# Altium PCB PCB.PcbDoc (part 3 of 4)
Units mm, origin at the board's own origin, x right, y up, seen from the top; angles counter-clockwise.
Board outline 100.83 x 35.45 mm, 6 copper layers (Top Layer, Mid Layer 1, Mid Layer 2, Mid Layer 3, Mid Layer 4, Bottom Layer), stack 1.032 mm thick; 283 components, 227 nets, 1174 pads, 1065 vias.
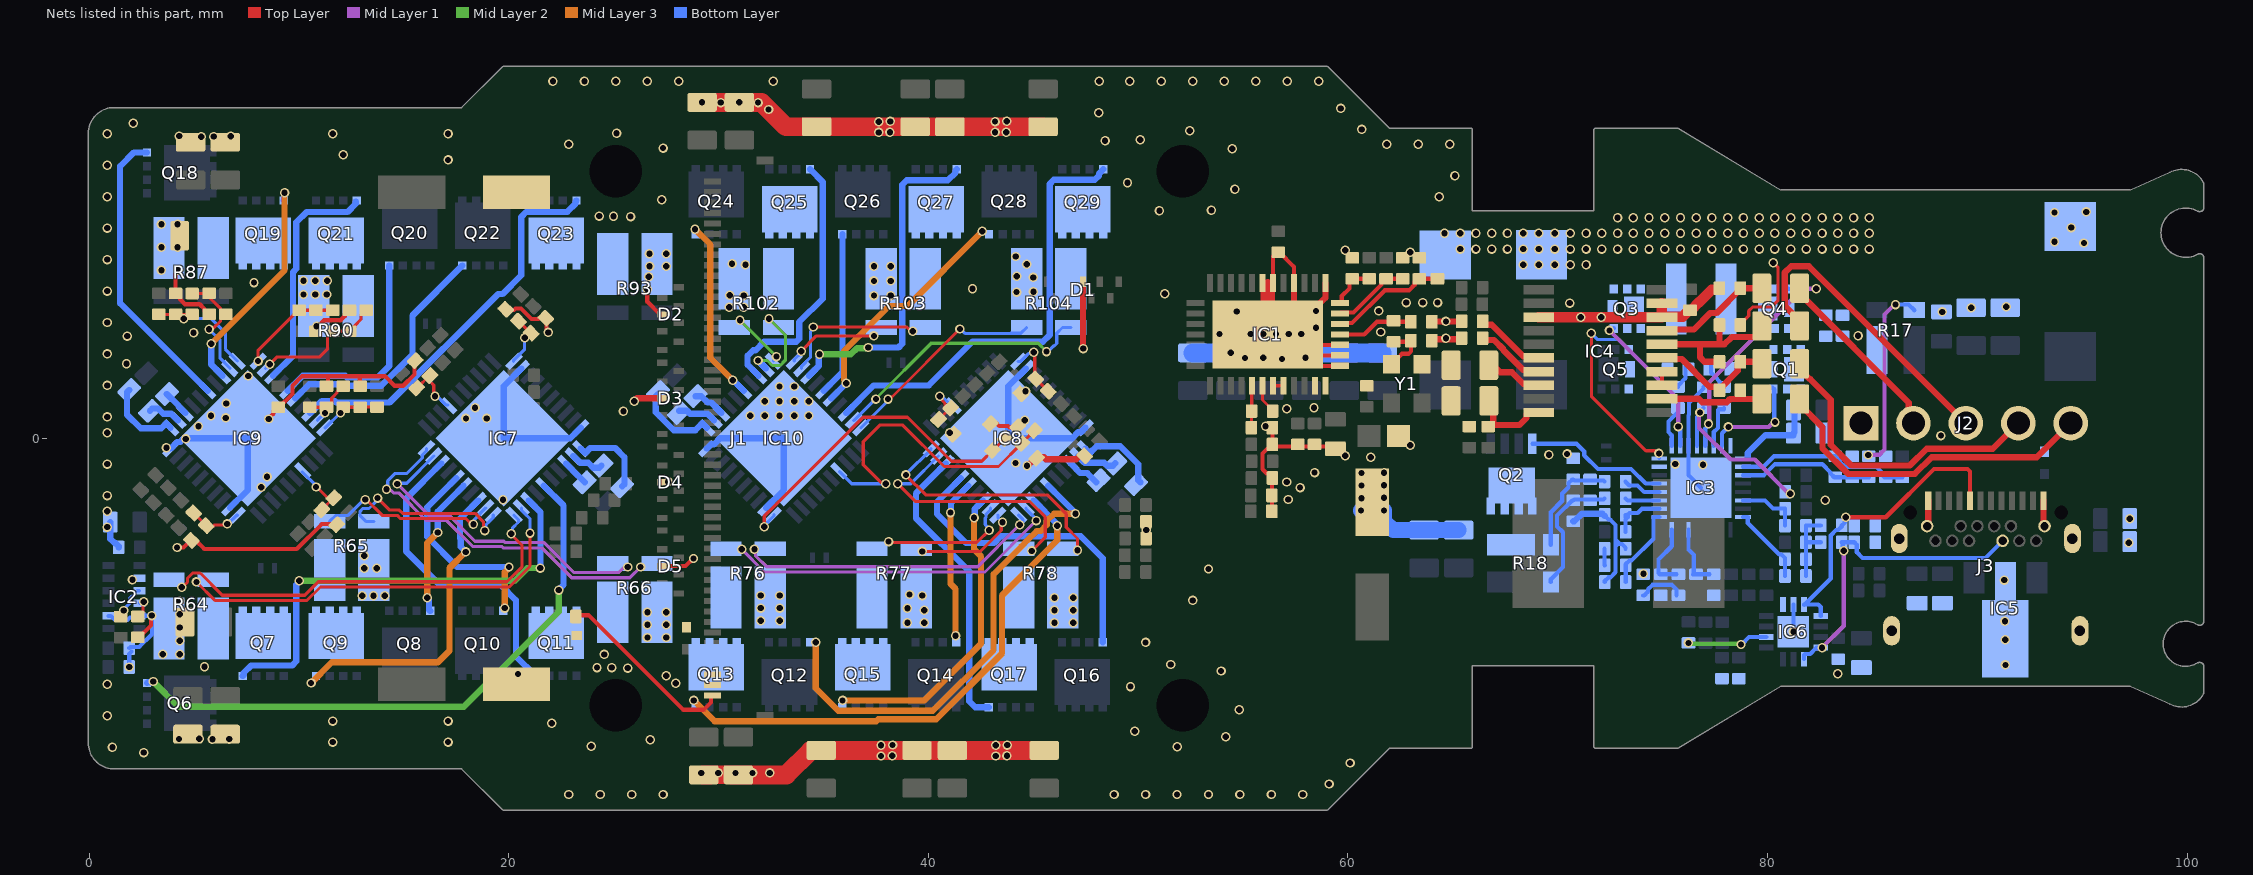
[diagram p7: the nets of this part, all layers, seen from the top]

## Via types
v1: diameter 0.45, hole 0.3, Top Layer to Bottom Layer, tented both sides, 1064 vias
v2: diameter 0.45, hole 0.3, Top Layer to Bottom Layer, tented top, 1 vias

## Nets (pads, with @x,y where several pads share a name; then routed paths per layer and width w, separated by ;. In a path a pad name is that pad's centre, name@x,y a point inside that pad or via, vN(x,y) a via of type N, cw(c..) or ccw(c..) an arc to the next point about the centre after c; other vN are vias at no path point) (continued)
GND: C1.2 C2.2 C3.1 C4.1 C5.1 C6.1 C7.1 C8.1 C9.2 C10.1 C11.1 C12.1 C13.1 C14.2 C15.1 C16.2 C17.1 C18.1 C19.2 C20.2 C21.1 C22.1 C23.1 C24.1 C25.1 C26.1 C27.1 C28.1 C29.1 C30.1 C33.2 C34.1 C35.1 C37.2 C38.1 C40.2 C41.1 C42.1 C43.1 C44.1 C45.1 C46.1 C47.1 C49.1 C50.1 C51.1 C52.1 C53.1 C54.1 C55.1 C56.1 C57.1 C59.1 C60.2 C61.1 C62.1 C63.1 C64.1 C65.1 C66.1 C67.1 C68.1 C69.1 C70.1 C71.1 C72.1 C73.1 C74.1 C75.1 C76.1 C77.1 C78.1 C79.1 C80.1 C81.1 C82.1 C83.1 C84.1 C87.1 C88.1 C91.1 C92.1 C95.1 C97.1 C98.2 C99.1 C101.2 C102.1 C104.2 C105.1 C108.1 D1.3 D2.3 D3.3 D4.3 D5.3 D6.2 D7.2 D8.2 D9.2 D10.2 D11.2 D12.2 IC1.1 IC1.4 IC1.6 IC1.7 IC1.30 IC1.31 IC1.32 IC1.33 IC1.34 IC1.39 IC2.2 IC2.8 IC2.11 IC3.27 IC3.33 IC4.3 IC4.18 IC4.19 IC5.2 IC5.4 IC6.8 IC6.9 IC6.15 IC7.32 IC7.40 IC7.41 IC8.32 IC8.40 IC8.41 IC9.32 IC9.40 IC9.41 IC10.32 IC10.40 IC10.41 J1.48 J1.49 J2.1 J3.A1 J3.A12 J3.B1 J3.B12 J3.MH1 J3.MH2 J3.MH3 J3.MH4 Q3.4 Q3.8 Q4.4 Q4.8 R5.1 R6.1 R7.1 R8.1 R10.1 R11.1 R12.1 R13.1 R16.1 R29.1 R31.1 R32.1 R39.1 R47.1 R48.1 R63.1 R64.1 R65.4 R66.4 R75.1 R76.4 R77.4 R78.4 R85.1 R87.4 R90.4 R93.1 R101.1 R102.4 R103.4 R104.4 Y1.2 | length 197.1
  Top Layer w0.15: C60.2@77.704,7.156 C60.2@77.704,7.206 ; C59.1@78.71,5.397 78.71,5.447 79.105,5.842 79.105,6.072 79.283,6.25 80.174,6.25 80.502,6.578 80.502,8.131 80.277,8.357 v1(80.277,8.369)
  Top Layer w0.2: R16.1@2.305,-9.498 2.355,-9.498 2.932,-8.92 2.932,-8.5 v1(2.98,-8.452) ; v1(4.181,-5.209) 4.492,-5.209 4.83,-4.871 R85.1@4.864,-4.871 5.072,-4.871 5.481,-5.28 9.888,-5.28 11.081,-4.087 11.443,-4.087 11.508,-4.152 11.756,-4.152 C97.1@11.791,-4.117 ; v1(4.205,8.002) 4.205,7.935 4.111,7.84 C98.2@4.111,6.905 4.161,6.905 4.336,6.73 4.336,6.614 4.56,6.39 5.261,6.39 5.485,6.165 5.485,6.08 5.66,5.905 C95.1@5.71,5.905 ; v1(8.55,0.918) 8.55,0.941 8.78,1.171 8.78,1.308 8.955,1.483 9.055,1.483 9.684,2.111 9.684,2.505 10.137,2.958 11.395,2.958 ; v1(10.833,5.34) 10.9,5.34 11.186,5.625 11.981,5.625 12.175,5.819 12.175,5.925 12.35,6.1 C99.1@12.4,6.1 ; C102.1@11.303,2.478 11.373,2.548 11.373,2.936 11.395,2.958 ; C104.2@12.913,2.483 12.886,2.51 12.886,2.958 ; C87.1@15.53,3.696 15.495,3.661 15.495,3.249 15.497,3.247 15.497,3.036 14.966,2.505 14.542,2.505 14.088,2.958 12.886,2.958 ; C84.1@19.857,6.147 19.892,6.112 20.246,6.112 20.316,6.182 20.584,6.182 21.08,5.686 21.412,5.686 21.482,5.756 21.729,5.756 R63.1@21.765,5.721 21.8,5.686 21.8,5.192 21.881,5.111 v1(21.881,5.043) ; v1(26.6,7.1) 26.6,6.508 27.205,5.902 D2.3@27.305,5.902 ; D5.3@27.305,-6.098 28.422,-6.098 28.787,-5.733 v1(28.8,-5.733) ; D4.3@27.305,-2.098 27.318,-2.085 27.575,-2.085 v1(27.587,-2.073) ; R101.1@42.948,0.693 42.983,0.728 43.231,0.728 43.372,0.587 43.796,0.587 43.867,0.516 44.22,0.516 C105.1@44.255,0.552 ; R10.1@56.371,-3.482 56.384,-3.468 56.384,-1.908 R12.1@56.398,-1.895 56.398,-1.845 56.223,-1.67 56.117,-1.67 55.928,-1.481 55.928,-0.729 56.137,-0.52 56.223,-0.52 56.398,-0.345 R13.1@56.398,-0.295 ; C10.1@56.398,0.505 R13.1@56.398,-0.295 ; C5.1@56.626,8.871 56.425,8.67 IC1.6@56.425,7.4 ; C5.1@56.676,8.871 56.726,8.871 57.425,8.171 IC1.4@57.425,7.4 ; C8.1@59.4,-0.5 59.297,-0.397 56.5,-0.397 R13.1@56.398,-0.295 ; IC1.32@59.625,3.45 57.675,3.45 IC1.39@57.175,3.95 ; IC1.33@59.625,3.95 IC1.39@57.175,3.95 ; IC1.34@59.625,4.45 IC1.39@56.675,4.45 ; 11.395,2.958 12.886,2.958 ; IC1.39@56.175,4.95 56.425,5.2 IC1.6@56.425,7.4 ; IC1.39@56.175,4.95 55.925,5.2 IC1.7@55.925,7.4 56.175,7.4 IC1.6@56.425,7.4 ; IC1.39@56.175,4.95 IC1.39@56.675,4.45 ; IC1.39@56.675,4.45 IC1.39@57.175,3.95
  Top Layer w0.3: v1(25.971,1.768) 26.105,1.902 D3.3@27.305,1.902 ; v1(44.697,-1.316) 44.738,-1.316 45.106,-0.948 C108.1@45.155,-0.948 45.191,-0.913 45.507,-0.913 45.594,-1 47.043,-1 47.237,-0.805 47.414,-0.805 C88.1@47.449,-0.841 ; D1.3@47.371,7.468 47.371,4.29 v1(47.386,4.275) ; IC1.39@56.175,4.95 57.175,4.95 58.925,6.7 IC1.1@58.925,7.4 ; IC1.39@56.425,5.2 57.425,6.2 IC1.4@57.425,7.4 ; C3.1@64.001,4.653 64.061,4.714 65.356,4.714 C73.1@65.416,4.774 ; R5.1@64.001,5.553 64.011,5.564 65.406,5.564 R47.1@65.416,5.574 ; J3.B12@87.605,-4.19 87.655,-4.14 J3.A1@87.655,-2.98 ; J3.A12@93.155,-2.98 93.155,-4.14 J3.B1@93.205,-4.19
  Top Layer w0.4: IC1.39@56.175,4.95 56.175,7.4
  Top Layer w0.5: IC4.3@69.092,5.777 v1@72.061,5.777 ; v1(72.071,5.768) 72.08,5.777 IC4.18@74.968,5.777 ; IC4.19@74.968,6.427 IC4.18@74.968,5.777 ; C60.2@77.704,7.156 77.704,7.106 77.679,7.081 77.346,7.081 76.743,6.478 76.73,6.478 76.355,6.102 R48.1@76.305,6.102 76.255,6.102 75.955,5.802 74.993,5.802 IC4.18@74.968,5.777
  Top Layer w0.9: v1(29.21,16.013) v1(30.988,16.013) v1@31.993,16.013 ; C65.1@29.291,-16.046 29.588,-16.046 29.592,-16.042 30.641,-16.042 30.644,-16.046 30.703,-16.046 C49.1@30.711,-16.055 ; C49.1@30.942,-16.046 33.228,-16.046 34.385,-14.888 C52.1@34.635,-14.888 ; v1(31.877,16.002) 32.048,16.002 v1(32.379,15.671) 33.202,14.848 C57.1@41.021,14.848 C67.1@45.466,14.848 ; C52.1@34.635,-14.881 C51.1@45.547,-14.881
  Bottom Layer w0.2: IC2.2@0.912,-8.468 1.024,-8.468 1.217,-8.661 1.822,-8.661 1.94,-8.543 2.313,-8.543 IC2.11@2.388,-8.468 2.395,-8.46 2.972,-8.46 v1(2.98,-8.452) 2.98,-9.342 2.375,-9.947 1.956,-9.947 C11.1@1.898,-10.005 ; v1(1.898,-10.905) 1.898,-10.28 C11.1@2.01,-10.167 ; C45.1@72.237,-6.856 72.237,-6.806 72.412,-6.631 72.513,-6.631 72.757,-6.387 72.757,-5.161 ; R32.1@72.237,-3.656 72.237,-3.706 72.412,-3.881 72.497,-3.881 72.757,-4.141 72.757,-4.764 72.757,-5.161 ; 72.757,-4.765 72.757,-4.842 72.907,-4.991 ; C47.1@73.232,-5.266 73.232,-5.216 73.057,-5.041 72.877,-5.041 72.757,-5.161 ; IC3.33@76.835,-2.361 76.235,-1.761 IC3.27@76.235,-0.361 76.235,1.096 76.255,1.116 76.255,1.676 76.948,2.369 C34.1@76.953,2.437 ; v1(81.235,-9.229) IC6.9@81.235,-7.929 ; C42.1@81.833,-6.566 R29.1@81.833,-5.766 C43.1@81.833,-4.966 ; C83.1@82.537,-4.956 82.532,-4.961 81.838,-4.961 C43.1@81.833,-4.966 ; C82.1@82.537,-4.156 82.532,-4.161 81.838,-4.161 R31.1@81.833,-4.166 C43.1@81.833,-4.966
  Bottom Layer w0.3: C13.1@1,-4 1,-4.8 1.18,-4.98 1.222,-4.98 1.397,-5.155 C14.2@1.397,-5.205 ; IC9.40@3.873,-0.493 4.188,-0.177 4.33,-0.177 4.335,-0.172 4.509,0.002 IC9.41@7.55,0.002 7.55,-2.472 IC9.32@6.701,-3.321 ; IC7.32@20.598,3.326 19.75,2.477 IC7.41@19.75,0.002 22.932,0.002 IC7.40@23.427,0.497 ; IC10.40@29.428,-0.493 29.641,-0.28 29.782,-0.28 30.065,0.002 IC10.41@33.105,0.002 33.105,-2.472 IC10.32@32.257,-3.321 ; IC8.32@44.654,3.326 43.805,2.477 IC8.41@43.805,0.002 46.846,0.002 47.129,0.285 47.27,0.285 IC8.40@47.482,0.497 ; C40.2@70.74,-3.964 70.79,-3.964 71.156,-3.597 72.129,-3.597 R32.1@72.237,-3.706 ; C46.1@74.074,-6.489 74.085,-6.478 v1(74.085,-6.462)
  Bottom Layer w0.75: v1(60.62,-3.44) v1(61.72,-3.44) 61.72,-3.941 62.16,-4.38 C27.1@63.629,-4.38 C28.1@65.28,-4.38
  Bottom Layer w0.9: C24.1@52.605,4.07 C26.1@54.411,4.07 ; v1(54.412,4.07) C21.1@56.217,4.07 C22.1@57.972,4.07 ; C22.1@57.975,4.022 C22.1@58.023,4.07 C25.1@59.829,4.07 C23.1@61.635,4.07
  other v1: 22.85,-16.983 24.35,-16.983 25.85,-16.983 27.35,-16.983 48.85,-16.983 50.35,-16.983 51.85,-16.983 53.35,-16.983 54.85,-16.983 56.35,-16.983 59.1,-16.483 29.168,-15.955 29.984,-15.955 30.8,-15.955 31.616,-15.955 32.432,-15.955 60.1,-15.483 37.739,-15.147 43.214,-15.149 38.268,-15.141 43.743,-15.142 2.6,-14.983 1.1,-14.733 51.861,-14.711 23.923,-14.683 37.739,-14.635 38.288,-14.625 43.214,-14.636 43.763,-14.626 11.6,-14.483 17.1,-14.483 26.736,-14.379 4.277,-14.336 5.868,-14.348 6.663,-14.34 5.243,-14.331 54.169,-14.225 49.841,-13.97 22.04,-13.583 11.6,-13.483 17.1,-13.483 0.85,-13.233 54.817,-12.943 49.632,-11.837 0.85,-11.733 27.96,-11.674 27.507,-11.316 20.434,-11.244 83.35,-11.233 53.951,-11.096 25.662,-10.957 24.2,-10.933 24.9,-10.933 5.49,-10.894 91.339,-10.805 51.55,-10.786 3.505,-10.298 4.315,-10.294 24.542,-10.307 50.35,-9.733 4.315,-9.66 91.335,-9.612 26.605,-9.498 27.505,-9.498 4.315,-9.027 26.605,-8.898 27.505,-8.898 39,-8.8 39.8,-8.8 46.005,-8.798 46.905,-8.798 32.005,-8.698 32.905,-8.698 91.316,-8.718 4.315,-8.394 26.605,-8.298 27.505,-8.298 39.8,-8.2 46.005,-8.198 46.905,-8.198 32.005,-8.098 32.905,-8.098 39,-8.1 4.315,-7.76 52.6,-7.733 46.005,-7.598 46.905,-7.598 13.005,-7.514 13.546,-7.514 14.087,-7.514 39.7,-7.5 32.005,-7.498 32.905,-7.498 39.1,-7.45 2.055,-6.743 91.284,-6.76 53.35,-6.233 13.105,-6.198 13.705,-6.198 13.105,-5.598 97.217,-4.983 50.382,-4.37 0.85,-4.233 97.268,-3.832 0.85,-3.483 82.758,-2.954 19.719,-2.937 57.15,-2.921 60.644,-2.858 61.72,-2.84 0.85,-2.733 57.715,-2.35 8.2,-2.333 60.644,-2.258 61.72,-2.24 57.081,-2.085 8.471,-1.832 60.644,-1.658 58.406,-1.635 61.72,-1.64 76.921,-1.27 0.85,-1.233 75.6,-1.233 44.153,-1.18 61.09,-0.901 59.871,-0.832 69.579,-0.783 70.443,-0.748 3.675,-0.448 62.971,-0.332 4.6,-0.033 88.265,0.127 0.85,0.267 41.019,0.256 5.2,0.567 56.071,0.568 44.584,0.863 17.951,0.943 18.943,0.943 6.5,0.967 0.85,1.017 5.8,1.067 31.5,1.067 32.2,1.067 32.9,1.067 33.6,1.067 34.3,1.067 25.459,1.283 57.084,1.401 18.388,1.448 58.379,1.457 6.53,1.661 32.2,1.767 32.9,1.767 33.6,1.767 34.3,1.767 44.629,2.24 32.9,2.467 33.6,2.467 0.85,2.517 7.571,2.968 1.771,3.55 56.85,3.777 55.09,3.83 55.965,3.841 57.975,3.833 0.85,4.017 64.671,4.768 1.809,4.872 84.317,4.884 53.871,4.968 55.371,4.968 55.971,4.968 56.571,4.968 57.171,4.968 57.771,4.968 4.969,5.027 61.561,5.063 58.471,5.268 0.85,5.517 64.671,5.568 71.1,5.767 88.335,6.02 54.701,6.043 58.471,6.068 61.471,6.068 89.705,6.22 30.5,6.25 31.2,6.25 91.381,6.271 70.566,6.444 62.771,6.468 63.571,6.468 64.271,6.468 31.2,6.8 37.4,6.8 38.2,6.8 30.524,6.815 10.208,6.853 10.765,6.853 11.322,6.853 51.259,6.881 44.2,6.967 45.004,6.986 0.85,7.017 42.102,7.122 7.85,7.421 10.208,7.502 10.771,7.502 11.334,7.502 37.4,7.5 38.2,7.5 45,7.667 26.662,7.697 44.209,7.719 3.436,8.002 26.705,8.202 27.505,8.202 37.4,8.2 38.2,8.2 68.35,8.267 69.1,8.267 69.85,8.267 70.6,8.267 71.35,8.267 31.276,8.275 44.691,8.299 30.639,8.315 0.85,8.517 44.158,8.663 26.7,8.8 27.5,8.8 62.971,8.868 59.875,8.963 65.35,9.017 66.1,9.017 66.85,9.017 67.6,9.017 68.35,9.017 69.1,9.017 69.85,9.017 70.6,9.017 71.35,9.017 72.1,9.017 72.85,9.017 73.6,9.017 74.35,9.017 75.1,9.017 75.85,9.017 76.6,9.017 77.35,9.017 78.1,9.017 78.85,9.017 79.6,9.017 80.35,9.017 81.1,9.017 81.85,9.017 82.6,9.017 83.35,9.017 84.1,9.017 84.85,9.017 3.436,9.102 4.205,9.102 95.083,9.307 93.68,9.365 64.6,9.767 65.35,9.767 66.1,9.767 66.85,9.767 67.6,9.767 68.35,9.767 69.1,9.767 69.85,9.767 70.6,9.767 71.35,9.767 72.1,9.767 72.85,9.767 73.6,9.767 74.35,9.767 75.1,9.767 75.85,9.767 76.6,9.767 77.35,9.767 78.1,9.767 78.85,9.767 79.6,9.767 80.35,9.767 81.1,9.767 81.85,9.767 82.6,9.767 83.35,9.767 84.1,9.767 84.85,9.767 0.85,10.017 94.481,10.044 3.436,10.202 4.205,10.202 72.85,10.517 73.6,10.517 74.35,10.517 75.1,10.517 75.85,10.517 76.6,10.517 77.35,10.517 78.1,10.517 78.85,10.517 79.6,10.517 80.35,10.517 81.1,10.517 81.85,10.517 82.6,10.517 83.35,10.517 84.1,10.517 84.85,10.517 24.988,10.585 25.8,10.567 24.303,10.591 93.68,10.762 95.194,10.788 51.012,10.841 53.491,10.869 27.28,11.363 0.85,11.517 64.35,11.517 54.612,11.873 49.49,12.179 65.1,12.517 0.85,13.017 17.1,13.267 12.1,13.517 54.476,13.803 27.349,13.834 22.85,14.017 61.85,14.017 63.35,14.017 64.85,14.017 48.421,14.185 50.1,14.231 5.332,14.372 5.936,14.382 6.741,14.39 4.291,14.404 0.85,14.517 11.6,14.517 17.1,14.517 25.134,14.537 37.634,14.578 38.163,14.585 43.177,14.582 43.706,14.589 52.455,14.664 60.651,14.72 2.1,15.017 37.634,15.091 38.183,15.101 43.177,15.095 43.726,15.105 48.118,15.519 59.651,15.72 30.099,16.002 22.1,17.017 23.6,17.017 25.1,17.017 26.6,17.017 28.1,17.017 32.6,17.017 48.144,17.012 49.6,17.017 51.1,17.017 52.6,17.017 54.1,17.017 55.6,17.017 57.1,17.017 58.6,17.017
  other v2: 57.85,-16.983
NetC3_2: C3.2 R4.2 Y1.3 | length 2.6
  Top Layer w0.2: Y1.3@62.075,3.525 62.075,3.575 62.375,3.875 62.425,3.875 62.575,4.025 62.883,4.025 63,4.142 C3.2@63,4.654 62.95,4.603 R4.2@62.172,4.603
NetC10_2: C10.2 FB1.1 IC1.24 | length 1.7
  Top Layer w0.15: C10.2@55.397,0.505 55.4,0.508 FB1.1@55.4,1.292 ; FB1.1@55.402,1.295 FB1.1@55.4,1.292 ; IC1.24@55.425,2.225 55.414,2.214 55.414,1.306 FB1.1@55.4,1.292
NetC29_2: C29.2 C30.2 Q1.1 Q1.2 Q1.5 Q1.6 Q1.7 R17.3
NetC31_1: C31.1 R21.2 | length 1.3
  Bottom Layer w0.2: C31.1@77.302,3.508 77.302,3.126 77.93,2.498 R21.2@77.93,2.442
NetC31_2: C31.2 IC3.32 L1.1 Q1.4 Q1.8 Q4.1 Q4.2 Q4.5 Q4.6 Q4.7
NetC32_1: C32.1 R22.2 | length 1.1
  Bottom Layer w0.2: R22.2@75.73,2.442 75.73,2.498 76.095,2.863 C32.1@76.095,3.404
NetC32_2: C32.2 IC3.23 L1.2 Q3.1 Q3.2 Q3.5 Q3.6 Q3.7 Q5.4 Q5.8
NetC34_2: C34.2 IC3.28 R24.1 | length 8.4
  Mid Layer 1 w0.2: v1(76.776,1.226) 76.735,1.184 76.735,0.494 78.248,-1.019 79.39,-1.019 81.02,-2.649 v1(81.082,-2.649)
  Bottom Layer w0.2: IC3.28@76.635,-0.361 76.635,1.017 76.809,1.19 C34.2@76.809,1.226 ; v1(76.776,1.226) C34.2@76.809,1.226 ; C34.2@76.953,1.436 76.809,1.292 C34.2@76.809,1.226
NetC35_2: C35.2 C36.1 IC3.3 R19.1 | length 6.5
  Bottom Layer w0.2: IC3.3@78.835,-1.761 79.836,-1.761 80.361,-1.236 82.607,-1.236 83.005,-1.634 83.005,-1.684 83.18,-1.859 C36.1@83.23,-1.859 84.04,-1.859 R19.1@84.83,-1.859
NetC36_2: C36.2 C37.1 IC3.2 R20.1 | length 8.3
  Bottom Layer w0.2: IC3.2@78.835,-1.361 79.811,-1.361 80.314,-0.858 83.28,-0.858 83.455,-1.033 83.455,-1.129 83.681,-1.355 85.177,-1.355 85.405,-1.583 85.405,-1.684 85.58,-1.859 C37.1@85.63,-1.859 R20.1@86.43,-1.859
NetC38_2: C38.2 C39.1 R18.4 R25.2 | length 5.1
  Bottom Layer w0.2: R18.4@69.67,-5.073 69.67,-3.526 70.215,-2.981 70.215,-2.638 70.518,-2.334 70.518,-2.139 70.693,-1.964 C38.2@70.74,-1.964 70.791,-2.015 72.181,-2.015 R25.2@72.232,-2.066
NetC39_2: C39.2 C40.1 R18.1 R26.2 | length 6.1
  Bottom Layer w0.2: R18.1@69.67,-6.849 69.67,-6.723 70.251,-6.142 70.251,-4.483 69.97,-4.202 69.97,-3.683 70.69,-2.963 C40.1@70.74,-2.963 70.788,-2.915 72.183,-2.915 R26.2@72.232,-2.866
NetC41_2: C41.2 IC3.1 R23.1 | length 3.9
  Bottom Layer w0.3: IC3.1@79.06,-0.911 79.06,-0.701 79.9,0.139 C41.2@81.235,0.139 ; C41.2@81.235,0.239 81.285,0.289 81.285,1.289 R23.1@81.235,1.339
NetC42_2: C42.2 IC3.8 R29.2 | length 3.8
  Bottom Layer w0.2: IC3.8@78.835,-3.761 79.055,-3.761 79.055,-4.04 80.557,-5.541 80.657,-5.541 80.832,-5.716 C42.2@80.832,-6.566
NetC44_2: C44.2 IC3.16 R33.2 | length 3.2
  Bottom Layer w0.2: IC3.16@75.435,-4.361 75.435,-5.15 74.8,-5.785 74.8,-6.42 74.864,-6.484 R33.2@75.664,-6.484
NetC45_2: C45.2 IC3.17 R34.2 | length 4
  Bottom Layer w0.2: C45.2@73.238,-6.856 73.238,-6.006 73.413,-5.831 73.518,-5.831 74.56,-4.789 74.56,-3.761 IC3.17@74.835,-3.761
NetC46_2: C46.2 R33.1 | length 2.2
  Bottom Layer w0.2: C46.2@74.074,-7.49 74.124,-7.49 74.299,-7.315 74.299,-7.199 74.511,-6.987 75.445,-6.987 75.664,-7.206 R33.1@75.664,-7.485
NetC47_2: C47.2 R34.1 | length 0.8
  Bottom Layer w0.2: C47.2@72.232,-5.266 72.235,-5.269 72.235,-6.053 R34.1@72.237,-6.056
NetC48_1: C48.1 C58.2 IC4.15 R41.1 | length 6.2
  Top Layer w0.3: IC4.15@74.968,3.827 75.02,3.775 75.915,3.775 77.231,2.46 77.584,2.46 77.709,2.335 C48.1@77.709,2.288 ; C48.1@77.709,2.338 78.585,3.214 78.585,3.523 C58.2@78.71,3.648 79.635,3.648 R41.1@79.73,3.552
NetC48_2: C48.2 IC4.12 R40.1 | length 4.9
  Top Layer w0.3: IC4.12@74.968,1.877 76.723,1.877 76.888,1.713 78.056,1.713 78.213,1.87 R40.1@79.73,1.87
NetC58_1: C58.1 C59.2 IC4.16 R45.1 | length 7.8
  Top Layer w0.3: IC4.16@74.968,4.477 76.785,4.477 ; C58.1@77.71,3.648 76.985,3.648 76.785,3.848 76.785,4.477 ; C59.2@77.71,5.397 77.71,4.487 77.7,4.477 ; R45.1@79.73,5.352 79.73,5.122 79.43,4.822 78.289,4.822 77.945,4.477 77.7,4.477 ; 76.785,4.477 77.7,4.477
NetC60_1: C60.1 IC4.17 R46.1 | length 5.6
  Top Layer w0.3: IC4.17@74.968,5.127 75.021,5.18 76.48,5.18 77.272,5.972 77.571,5.972 78.705,7.106 C60.1@78.705,7.156 79.719,7.156 R46.1@79.727,7.148
NetC70_2: C70.2 IC4.10 R42.1 | length 3.9
  Top Layer w0.3: R42.1@66.684,0.557 66.761,0.635 66.93,0.635 68.179,0.635 68.505,0.96 68.505,1.152 68.58,1.227 IC4.10@69.092,1.227 ; C70.2@66.714,1.779 66.93,1.563 R42.1@66.93,0.767
NetC71_2: C71.2 IC4.8 | length 2.8
  Top Layer w0.3: C71.2@66.714,3.479 66.754,3.439 66.96,3.439 67.26,3.139 67.815,3.139 68.351,2.602 69.017,2.602 IC4.8@69.092,2.527
NetC73_2: C73.2 IC4.7 | length 3.4
  Top Layer w0.3: C73.2@66.416,4.774 66.512,4.679 66.965,4.679 67.414,4.23 67.414,4.19 68.351,3.252 69.017,3.252 IC4.7@69.092,3.177
NetC82_2: C82.2 D10.1 IC6.10 IC6.11 J3.A5 | length 14.7
  Top Layer w0.2: v1(83.733,-3.764) 85.636,-3.764 87.936,-1.464 89.538,-1.464 89.655,-1.582 J3.A5@89.655,-2.98
  Bottom Layer w0.2: IC6.11@82.535,-8.479 82.535,-8.046 82.418,-7.929 IC6.10@81.735,-7.929 81.751,-7.945 83.012,-6.684 83.012,-4.631 83.262,-4.381 83.363,-4.381 83.538,-4.206 C82.2@83.538,-4.156 83.685,-4.008 83.685,-3.812 v1(83.733,-3.764)
NetC83_2: C83.2 D11.1 IC6.1 IC6.14 J3.B5 | length 15.4
  Mid Layer 1 w0.2: v1(82.6,-9.983) 83.635,-8.948 v1(83.635,-5.361)
  Bottom Layer w0.2: IC6.1@81.735,-10.529 81.735,-10.329 81.785,-10.279 82.035,-10.279 82.285,-10.029 82.485,-10.029 IC6.14@82.535,-9.979 ; IC6.14@82.335,-9.979 82.339,-9.983 v1(82.6,-9.983) ; v1(83.635,-5.361) 83.587,-5.313 83.587,-5.005 C83.2@83.538,-4.956 83.54,-4.958 84.135,-4.958 84.256,-5.08 84.256,-5.434 84.529,-5.706 90.388,-5.706 J3.B5@91.205,-4.89
NetC85_1: C85.1 IC7.2 | length 1.6
  Bottom Layer w0.3: IC7.2@23.073,-0.846 23.394,-1.167 23.78,-1.167 24.022,-1.409 24.304,-1.409 C85.1@24.41,-1.303
NetC85_2: C85.2 IC7.1 | length 3.9
  Bottom Layer w0.3: IC7.1@23.427,-0.493 23.639,-0.705 23.876,-0.468 25.075,-0.468 25.506,-0.899 25.506,-2.186 C85.2@25.4,-2.293
NetC86_2: C86.2 IC7.3 | length 1.3
  Bottom Layer w0.3: IC7.3@22.719,-1.2 23.045,-1.525 23.045,-1.537 C86.2@23.61,-2.103
NetC87_2: C87.2 FB2.2 IC7.24 | length 2.6
  Top Layer w0.15: FB2.2@15.603,2.399 15.625,2.399 16.215,2.989 C87.2@16.237,2.989 ; C87.2@16.237,2.883 16.237,2.715 16.42,2.532 16.42,2.06 v1(16.478,2.003)
  Bottom Layer w0.15: v1(16.478,2.003) 16.535,1.945 16.64,1.945 16.996,1.59 IC7.24@17.089,1.59
NetC89_1: C89.1 IC8.2 | length 2
  Bottom Layer w0.3: IC8.2@47.129,-0.846 47.449,-1.167 48.38,-1.167 48.522,-1.309 48.794,-1.309 C89.1@48.905,-1.198
NetC89_2: C89.2 IC8.1 | length 4
  Bottom Layer w0.3: IC8.1@47.482,-0.493 47.694,-0.705 48.019,-0.381 49.149,-0.381 50.006,-1.238 50.006,-1.999 C89.2@50.105,-2.098
NetC90_2: C90.2 IC8.3 | length 1.6
  Bottom Layer w0.3: IC8.3@46.775,-1.2 47.237,-1.661 47.569,-1.661 C90.2@48.005,-2.098
NetC91_2: C91.2 FB3.2 IC8.24 | length 2.5
  Top Layer w0.15: C91.2@40.481,0.894 40.496,0.894 40.875,1.274 40.875,1.36 FB3.2@40.792,1.443 ; v1(40.533,2.003) 40.533,1.922 40.792,1.663 40.792,1.459 40.828,1.423 40.847,1.443 FB3.2@41.06,1.443
  Bottom Layer w0.15: v1(40.533,2.003) 40.591,1.945 40.696,1.945 41.052,1.59 IC8.24@41.145,1.59
NetC93_1: C93.1 IC9.2 | length 1.6
  Bottom Layer w0.3: C93.1@2.888,1.307 2.995,1.414 3.278,1.414 3.519,1.172 3.905,1.172 IC9.2@4.226,0.851
NetC93_2: C93.2 IC9.1 | length 3.8
  Bottom Layer w0.3: C93.2@1.898,2.297 1.793,2.191 1.793,1.126 2.446,0.472 3.423,0.472 3.66,0.71 IC9.1@3.873,0.497
NetC94_2: C94.2 IC9.3 | length 1.3
  Bottom Layer w0.3: C94.2@3.689,2.107 4.254,1.542 4.254,1.53 IC9.3@4.58,1.204
NetC95_2: C95.2 C96.1 IC9.9 R86.1 | length 5.5
  Top Layer w0.15: C96.1@4.9,6.9 5.53,6.9 6.26,6.17 6.26,6.105 R86.1@6.46,5.905 ; v1(5.705,5.202) 5.763,5.26 5.93,5.26 6.26,5.591 6.26,5.705 R86.1@6.46,5.905 ; R86.1@6.51,5.905 R86.1@6.46,5.905
  Bottom Layer w0.15: v1(5.705,5.202) 6.235,4.674 6.235,3.814 6.701,3.349 IC9.9@6.701,3.326
NetC96_2: C96.2 C98.1 IC9.10 R88.1 | length 5.4
  Top Layer w0.15: R88.1@3.31,5.905 3.313,5.902 4.898,5.902 C96.2@4.9,5.9
  Bottom Layer w0.15: v1(4.505,5.702) 5.806,5.702 6.485,5.024 6.485,4.249 IC9.10@7.055,3.679
NetC97_2: C97.2 FB4.2 IC9.24 | length 2.8
  Top Layer w0.15: v1@10.836,-2.325 11.36,-2.849 FB4.2@11.643,-2.849 ; C97.2@11.07,-3.409 11.076,-3.409 FB4.2@11.637,-2.849
  Bottom Layer w0.15: IC9.24@10.151,-1.61 10.809,-2.268 v1(10.809,-2.325)
NetC99_2: C99.2 C100.1 IC9.12 R89.1 | length 6.5
  Top Layer w0.15: v1(8.599,3.526) 8.95,3.877 10.98,3.877 11.36,4.257 11.36,4.905 11.56,5.105 C100.1@11.61,5.105 11.613,5.102 12.398,5.102 C99.2@12.4,5.1 12.45,5.1 12.65,5.3 12.65,5.365 12.95,5.665 12.95,5.9 13.15,6.1 R89.1@13.2,6.1
  Bottom Layer w0.15: IC9.12@8.398,3.326 8.59,3.517 v1(8.599,3.526)
NetC100_2: C100.2 C101.1 IC9.11 R91.1 | length 4.9
  Top Layer w0.15: v1(8.045,3.679) 8.045,4.194 9.95,6.1 R91.1@10,6.1 10.003,6.103 10.8,6.103 11.608,6.103 C100.2@11.611,6.105
NetC102_2: C102.2 C103.1 IC9.19 R92.1 | length 2.7
  Top Layer w0.15: R92.1@10.513,1.483 10.515,1.48 11.3,1.48 C102.2@11.303,1.478 11.353,1.478 11.553,1.678 11.553,1.913 11.803,2.163 11.803,2.228 12.053,2.478 C103.1@12.103,2.478
  Bottom Layer w0.15: IC9.19@10.873,0.851 11.224,1.202 v1(11.23,1.202)
NetC103_2: C103.2 C104.1 IC9.20 R94.1 | length 3
  Top Layer w0.15: v1(11.974,1.202) 12.153,1.381 C103.2@12.153,1.478 ; C103.2@12.103,1.478 12.105,1.48 12.91,1.48 C104.1@12.913,1.483 R94.1@13.713,1.483
  Bottom Layer w0.15: IC9.20@11.227,0.497 11.248,0.497 11.953,1.202 v1(11.974,1.202)
NetC106_1: C106.1 IC10.2 | length 1.9
  Bottom Layer w0.3: C106.1@28.105,1.302 28.117,1.313 28.489,1.313 28.631,1.172 29.461,1.172 IC10.2@29.782,0.851
NetC106_2: C106.2 IC10.1 | length 3.9
  Bottom Layer w0.3: C106.2@27.105,2.102 27.004,2.001 27.004,1.243 27.862,0.385 28.892,0.385 29.216,0.71 IC10.1@29.428,0.497
NetC107_2: C107.2 IC10.3 | length 1.6
  Bottom Layer w0.3: C107.2@28.9,2.007 29.173,2.007 29.478,1.702 29.638,1.702 IC10.3@30.136,1.204
NetC108_2: C108.2 FB5.2 IC10.24 | length 15
  Top Layer w0.15: v1(37.965,-2.173) 37.907,-2.115 37.747,-2.115 36.894,-1.263 36.894,-0.162 37.682,0.625 38.775,0.625 40.75,-1.35 43.339,-1.35 C108.2@44.448,-0.241 FB5.2@45.048,0.359
  Bottom Layer w0.15: IC10.24@35.766,-1.585 35.766,-1.597 36.341,-2.173 v1(37.965,-2.173)
NetFB1_2: FB1.2 IC1.25 | length 1.4
  Top Layer w0.15: IC1.25@55.925,2.5 55.925,1.823 56.403,1.345 FB1.2@56.403,1.295
NetIC1_26: IC1.26 IC1.27 | length 0.5
  Top Layer w0.15: IC1.26@56.425,2.5 IC1.27@56.925,2.5
NetIC1_35: IC1.35 R4.1 R5.2 | length 3.6
  Top Layer w0.2: IC1.35@59.625,4.95 60.775,4.95 61.378,5.554 R5.2@63,5.554
NetIC1_36: IC1.36 R1.1 R6.2 | length 5.6
  Top Layer w0.2: IC1.36@59.625,5.45 59.662,5.487 60.187,5.487 61.75,7.05 62.909,7.05 63.18,7.321 63.18,7.422 63.355,7.597 R6.2@63.405,7.597 63.408,7.6 64.263,7.6 R1.1@64.265,7.602
NetIC1_37: IC1.37 R2.1 R7.2 | length 3.7
  Top Layer w0.2: IC1.37@59.625,5.95 59.675,6 60.264,6 61.59,7.327 61.59,7.427 61.765,7.602 R2.1@61.815,7.602 61.818,7.6 62.602,7.6 R7.2@62.605,7.597
NetIC1_38: IC1.38 R3.1 R8.2 | length 2.2
  Top Layer w0.2: IC1.38@59.625,6.45 59.675,6.5 59.705,6.5 59.705,6.783 60.066,7.144 60.066,7.458 60.21,7.602 60.777,7.602 R3.1@61.015,7.602
NetIC2_9: IC2.9 R15.1 | length 1.4
  Bottom Layer w0.15: v1(1.636,-8.211) 1.636,-8.153 1.925,-7.864 1.925,-7.62 2.028,-7.518 2.087,-7.518 2.175,-7.43 2.175,-7.368 2.275,-7.268 IC2.9@2.388,-7.268
NetIC2_10: IC2.10 R16.2 | length 1.1
  Top Layer w0.15: R16.2@2.305,-8.497 2.35,-8.497 2.55,-8.297 2.55,-7.85 v1(2.6,-7.8)
  Bottom Layer w0.15: IC2.10@2.388,-7.868 2.455,-7.8 v1(2.6,-7.8)
NetIC3_6: IC3.6 R28.1 R31.2 | length 3
  Bottom Layer w0.2: IC3.6@78.835,-2.961 79.88,-2.961 80.071,-3.152 80.071,-3.165 80.263,-3.356 R28.1@80.838,-3.356 80.835,-3.359 80.835,-4.163 R31.2@80.832,-4.166
NetIC3_14: IC3.14 R38.1 R39.2 | length 3
  Bottom Layer w0.2: IC3.14@76.235,-4.361 76.235,-5.309 76.486,-5.56 76.486,-6.454 R38.1@76.45,-6.489 ; R38.1@76.486,-6.489 76.488,-6.487 77.237,-6.487 R39.2@77.24,-6.484
NetIC3_18: IC3.18 R30.1 R32.2 | length 2.6
  Bottom Layer w0.2: R30.1@73.232,-4.466 73.235,-4.463 73.235,-3.863 73.332,-3.766 73.332,-3.65 73.413,-3.57 73.813,-3.57 74.021,-3.361 IC3.18@74.835,-3.361 ; R32.2@73.232,-3.766 73.232,-3.661 R32.2@73.238,-3.656
NetIC3_19: IC3.19 R26.1 | length 1.6
  Bottom Layer w0.2: R26.1@73.232,-2.866 73.336,-2.97 74.551,-2.97 74.56,-2.961 IC3.19@74.826,-2.961
NetIC3_20: IC3.20 R25.1 | length 1.8
  Bottom Layer w0.2: R25.1@73.232,-2.066 73.232,-2.075 73.407,-2.25 73.807,-2.25 74.119,-2.561 IC3.20@74.835,-2.561
NetIC3_21: IC3.21 Q2.4 | length 6.9
  Bottom Layer w0.2: Q2.4@68.795,-0.261 70.888,-0.261 71.265,-0.638 71.265,-0.815 71.914,-1.464 73.498,-1.464 74.195,-2.161 IC3.21@74.835,-2.161
NetIC3_24: IC3.24 Q5.3 | length 9.7
  Top Layer w0.15: v1(71.601,5.001) 71.601,2.001 74.199,-0.598 74.617,-0.598 74.743,-0.723 v1(74.824,-0.723)
  Bottom Layer w0.15: v1(71.601,5.001) 71.885,4.715 72.909,4.715 73.385,4.239 Q5.3@73.385,4.227 ; v1(74.824,-0.723) 74.824,-0.95 IC3.24@74.835,-0.961
NetIC3_25: IC3.25 R22.1 | length 2.1
  Bottom Layer w0.2: IC3.25@75.435,-0.361 75.435,0.139 75.28,0.294 75.28,0.799 75.73,1.249 R22.1@75.73,1.441
NetIC3_26: IC3.26 Q3.3 | length 7.2
  Mid Layer 1 w0.2: v1(72.462,5.14) 75.739,1.863 v1(75.739,0.557)
  Bottom Layer w0.2: v1(72.462,5.14) 72.56,5.14 Q3.3@72.665,5.245 ; v1(75.739,0.557) 75.835,0.539 IC3.26@75.835,-0.361
NetIC3_29: IC3.29 Q4.3 | length 11.4
  Mid Layer 1 w0.2: v1(77.185,0.681) 77.226,0.722 77.226,2.675 81.677,7.125 v1(82.329,7.125)
  Bottom Layer w0.2: IC3.29@77.035,-0.361 77.035,0.463 77.185,0.613 v1(77.185,0.681) ; Q4.3@80.985,7.123 80.987,7.121 82.325,7.121 v1(82.329,7.125)
NetIC3_30: IC3.30 R21.1 | length 2.2
  Bottom Layer w0.2: IC3.30@77.435,-0.361 77.435,0.292 77.635,0.492 77.635,1.339 77.68,1.384 77.93,1.384 R21.1@77.93,1.441
NetIC3_31: IC3.31 Q1.3 | length 5
  Mid Layer 1 w0.2: v1(78.135,0.539) 80.058,0.539 80.289,0.77 v1(80.357,0.77)
  Bottom Layer w0.2: IC3.31@77.835,-0.361 77.835,0.239 v1(78.135,0.539) ; Q1.3@80.242,2.411 80.321,2.333 80.321,0.806 v1(80.357,0.77)
NetIC4_6: IC4.6 R47.2 | length 3.4
  Top Layer w0.3: R47.2@66.416,5.574 66.416,5.529 66.541,5.404 66.85,5.404 68.351,3.902 69.017,3.902 IC4.6@69.092,3.827
NetIC4_13: IC4.13 IC4.14 | length 0.6
  Top Layer w0.2: IC4.13@74.968,2.527 IC4.14@74.968,3.177
NetIC6_5: IC6.5 R51.1 | length 3.9
  Mid Layer 2 w0.2: v1(76.23,-9.759) 76.267,-9.796 78.698,-9.796 v1(78.735,-9.833)
  Bottom Layer w0.2: v1(78.735,-9.833) 78.769,-9.833 79.123,-9.479 IC6.5@79.935,-9.479
NetIC7_6: IC7.6 Q6.4 | length 28.5
  Mid Layer 2 w0.3: v1(3.044,-11.597) 4.245,-12.798 17.853,-12.798 22.379,-8.271 v1(22.379,-7.237)
  Bottom Layer w0.3: Q6.4@2.75,-11.668 2.792,-11.625 3.016,-11.625 v1(3.044,-11.597) ; IC7.6@21.659,-2.26 22.605,-3.207 22.605,-6.986 22.379,-7.213 v1(22.379,-7.237)
NetIC7_8: IC7.8 Q7.4 | length 22
  Mid Layer 2 w0.3: v1(10.005,-6.798) 20.266,-6.798 20.874,-6.19 v1(21.491,-6.19)
  Bottom Layer w0.3: Q7.4@7.314,-11.333 7.364,-11.283 7.364,-11.179 7.711,-10.833 9.668,-10.833 9.864,-10.636 9.864,-6.979 10.005,-6.838 v1(10.005,-6.798) ; IC7.8@20.952,-2.967 21.505,-3.521 21.505,-6.175 v1(21.491,-6.19)
NetIC7_9: IC7.9 R64.3 | length 19.9
  Top Layer w0.15: v1(5.105,-6.851) 5.986,-7.732 10.378,-7.732 11.021,-7.089 20.011,-7.089 21.005,-6.095 v1(21.005,-4.52)
  Bottom Layer w0.15: IC7.9@20.598,-3.321 20.598,-3.427 21.005,-3.834 v1(21.005,-4.52)
NetIC7_10: IC7.10 R64.2 | length 20.5
  Top Layer w0.15: v1(4.405,-7.098) 4.443,-7.098 4.68,-6.86 4.68,-6.675 4.929,-6.426 5.281,-6.426 6.337,-7.482 10.274,-7.482 10.917,-6.839 19.908,-6.839 20.629,-6.118 20.629,-5.111 20.107,-4.589 v1(20.107,-4.553)
  Bottom Layer w0.15: v1(20.107,-4.553) 20.164,-4.496 20.164,-4.285 20.457,-3.993 20.457,-3.887 IC7.10@20.245,-3.675
NetIC7_11: IC7.11 R65.3 | length 9
  Top Layer w0.15: v1(13.74,-2.853) 14.315,-3.428 14.781,-3.428 14.935,-3.582 18.39,-3.582 18.785,-3.977 18.785,-4.345 v1(18.842,-4.403)
  Bottom Layer w0.15: R65.3@13.566,-3.962 13.185,-3.962 12.91,-3.687 12.91,-3.475 13.035,-3.35 13.332,-3.35 13.581,-3.101 13.581,-3.09 13.74,-2.931 v1(13.74,-2.853) ; v1(18.842,-4.403) 18.9,-4.345 18.9,-4.136 IC7.11@19.042,-3.993 ; IC7.11@19.042,-3.992 19.255,-3.78 IC7.11@19.255,-3.675
NetIC7_12: IC7.12 R65.2 | length 8.8
  Top Layer w0.15: v1(13.156,-2.925) 13.212,-2.925 13.964,-3.678 14.678,-3.678 14.832,-3.832 17.957,-3.832 18.227,-4.101 v1(18.308,-4.101)
  Bottom Layer w0.15: R65.2@11.46,-3.962 11.735,-3.687 12.313,-3.687 13.075,-2.925 v1(13.156,-2.925) ; v1(18.308,-4.101) 18.366,-4.044 18.366,-3.856 IC7.12@18.901,-3.321
NetIC7_13: IC7.13 Q9.4 | length 15.2
  Mid Layer 3 w0.3: v1(10.571,-11.668) 11.557,-10.682 16.621,-10.682 17.171,-10.132 17.171,-6.185 v1(17.936,-5.419)
  Bottom Layer w0.3: v1(17.936,-5.419) 17.936,-5.405 17.7,-5.168 17.7,-4.793 17.671,-4.763 17.671,-3.844 IC7.13@18.547,-2.967
NetIC7_15: IC7.15 Q8.4 | length 6.7
  Mid Layer 3 w0.3: v1(16.105,-7.598) 16.105,-4.995 v1(16.605,-4.495)
  Bottom Layer w0.3: v1(16.105,-7.598) 16.105,-7.638 16.194,-7.727 16.194,-8.183 Q8.4@16.244,-8.233 ; v1(16.605,-4.495) 16.605,-3.495 IC7.15@17.84,-2.26
NetIC7_16: IC7.16 Q10.4 | length 9.9
  Mid Layer 3 w0.3: v1(19.805,-8.098) 19.805,-6.381 20.006,-6.18 v1(20.006,-6.14)
  Bottom Layer w0.3: IC7.16@17.487,-1.907 16.105,-3.288 16.105,-4.702 17.543,-6.14 v1(20.006,-6.14)
NetIC7_18: IC7.18 Q11.4 | length 15.1
  Bottom Layer w0.3: IC7.18@16.78,-1.2 15.105,-2.874 15.105,-5.398 16.705,-6.998 19.605,-6.998 20.334,-7.727 20.334,-10.388 Q11.4@21.274,-11.328
NetIC7_19: IC7.19 R66.2 | length 15.1
  Mid Layer 1 w0.15: v1(14.678,-2.178) 16.177,-3.677 17.149,-3.677 18.384,-4.912 19.764,-4.912 19.83,-4.978 21.678,-4.978 23.098,-6.398 23.451,-6.398 23.454,-6.4 25.236,-6.4 25.442,-6.195 25.603,-6.195 v1(25.66,-6.137)
  Bottom Layer w0.15: v1(14.678,-2.178) 14.711,-2.145 15.128,-2.145 IC7.19@16.426,-0.846
NetIC7_20: IC7.20 R66.3 | length 17.1
  Mid Layer 1 w0.15: v1(14.165,-2.439) 14.223,-2.496 14.395,-2.496 14.502,-2.603 14.749,-2.603 16.074,-3.927 17.045,-3.927 18.28,-5.162 19.66,-5.162 19.726,-5.228 21.575,-5.228 22.994,-6.648 23.348,-6.648 23.35,-6.65 25.764,-6.65 v1(26.277,-6.137)
  Bottom Layer w0.15: v1(14.165,-2.439) 14.223,-2.381 14.223,-2.032 14.582,-1.673 15.14,-1.673 15.869,-0.944 15.869,-0.819 15.861,-0.811 16.073,-0.599 IC7.20@16.073,-0.493
NetIC7_31: IC7.31 R60.1 R63.2 | length 2.6
  Top Layer w0.15: R60.1@20.457,5.58 R60.1@20.68,5.357 ; R60.1@20.688,5.366 R63.2@21.04,5.014 ; v1(20.749,4.787) 20.975,5.014 R63.2@21.057,5.014
  Bottom Layer w0.15: IC7.31@20.223,3.654 20.223,3.718 20.749,4.244 v1(20.749,4.787)
NetIC8_6: IC8.6 Q12.4 | length 23
  Mid Layer 3 w0.3: v1(34.625,-9.719) 34.625,-11.924 35.698,-12.998 40.205,-12.998 43.105,-10.098 43.105,-6.481 44.42,-5.166 ; 44.42,-5.165 44.713,-4.873 ; 44.714,-4.873 45.162,-4.425 45.351,-4.425 45.644,-4.132 45.644,-3.943 45.989,-3.598 v1(47.005,-3.598)
  Bottom Layer w0.3: IC8.6@45.715,-2.26 46.977,-3.522 46.977,-3.569 v1(47.005,-3.598)
NetIC8_8: IC8.8 Q13.4 | length 25.3
  Mid Layer 3 w0.3: v1(28.805,-12.498) 29.805,-13.498 37.505,-13.498 37.605,-13.398 40.371,-13.398 43.505,-10.263 43.505,-7.498 46.144,-4.859 v1(46.144,-4.173)
  Bottom Layer w0.3: IC8.8@45.007,-2.967 46.115,-4.075 46.115,-4.144 v1(46.144,-4.173)
NetIC8_9: IC8.9 R76.2 | length 16.3
  Mid Layer 1 w0.15: v1(31.105,-5.298) 32.182,-6.375 42.694,-6.375 v1(45.144,-3.925)
  Bottom Layer w0.15: IC8.9@44.654,-3.321 44.654,-3.378 45.144,-3.868 v1(45.144,-3.925)
NetIC8_10: IC8.10 R76.3 | length 14.5
  Mid Layer 1 w0.15: v1(31.705,-5.298) 31.75,-5.342 31.75,-5.59 32.285,-6.125 42.342,-6.125 44.292,-4.175 v1(44.347,-4.12)
  Bottom Layer w0.15: IC8.10@44.3,-3.675 44.494,-3.868 44.494,-3.974 v1(44.347,-4.12)
NetIC8_11: IC8.11 R77.3 | length 4.9
  Top Layer w0.15: v1(39.704,-5.398) 42.476,-5.398 43.473,-4.401 v1@43.473,-4.059
  Bottom Layer w0.15: IC8.11@43.31,-3.675 43.31,-3.781 v1(43.53,-4.002)
NetIC8_12: IC8.12 R77.2 | length 6.3
  Top Layer w0.15: v1(38.1,-4.925) 38.147,-4.973 42.3,-4.973 v1(42.892,-4.381)
  Bottom Layer w0.15: v1(42.892,-4.381) 42.892,-4.3 42.711,-4.12 42.711,-3.814 42.745,-3.781 42.745,-3.619 42.957,-3.407 IC8.12@42.957,-3.321
NetIC8_13: IC8.13 Q15.4 | length 14.9
  Mid Layer 3 w0.3: v1(35.905,-12.498) 39.813,-12.498 42.506,-9.804 42.506,-5.633 42.173,-5.3 v1(42.173,-3.787)
  Bottom Layer w0.3: v1(42.173,-3.787) 42.202,-3.758 42.202,-3.369 IC8.13@42.603,-2.967
NetIC8_15: IC8.15 Q14.4 | length 7.6
  Mid Layer 3 w0.3: v1(41.051,-3.544) 41.051,-6.944 41.294,-7.186 v1(41.294,-9.421)
  Bottom Layer w0.3: v1(41.051,-3.544) 41.08,-3.515 41.08,-3.076 IC8.15@41.896,-2.26
NetIC8_16: IC8.16 Q16.4 | length 15.2
  Bottom Layer w0.3: IC8.16@41.543,-1.907 40.405,-3.044 40.405,-3.605 41.798,-4.998 43.128,-4.998 43.454,-4.673 45.38,-4.673 47.262,-4.673 48.316,-5.726 Q16.4@48.316,-9.719
NetIC8_18: IC8.18 Q17.4 | length 14
  Bottom Layer w0.3: IC8.18@40.836,-1.2 39.405,-2.63 39.405,-3.81 41.942,-6.347 41.942,-12.534 42.227,-12.819 Q17.4@42.875,-12.819
NetIC8_19: IC8.19 R78.2 | length 12.1
  Top Layer w0.15: v1(38.54,-2.173) 39.386,-3.019 44.84,-3.019 45.569,-3.749 45.569,-4.724 v1(44.92,-5.373)
  Bottom Layer w0.15: v1(38.54,-2.173) 39.156,-2.173 IC8.19@40.482,-0.846
NetIC8_20: IC8.20 R78.3 | length 12.1
  Top Layer w0.15: v1(38.927,-1.748) 38.927,-1.765 39.865,-2.703 45.665,-2.703 46.569,-3.606 46.569,-4.242 47.105,-4.779 v1(47.105,-5.336)
  Bottom Layer w0.15: v1(38.927,-1.748) 38.927,-1.721 40.128,-0.519 IC8.20@40.128,-0.493
NetIC8_31: IC8.31 R70.1 R75.2 | length 3.1
  Top Layer w0.15: v1(45.024,4.093) 45.069,4.049 45.069,2.865 45.104,2.83 45.122,2.83 R70.1@45.715,2.237
  Bottom Layer w0.15: IC8.31@44.278,3.654 44.381,3.654 44.763,4.036 44.967,4.036 v1(45.024,4.093)
NetIC9_6: IC9.6 Q18.4 | length 14
  Bottom Layer w0.3: Q18.4@2.75,13.622 2.131,13.622 2.125,13.622 1.465,12.962 1.465,6.441 IC9.6@5.64,2.265
NetIC9_8: IC9.8 Q19.4 | length 10.8
  Mid Layer 3 w0.3: v1(5.805,4.502) 9.305,8.002 v1(9.305,11.702)
  Bottom Layer w0.3: v1(5.805,4.502) 5.805,3.514 IC9.8@6.348,2.972 ; Q19.4@9.265,11.332 9.285,11.353 9.285,11.682 v1(9.305,11.702)
NetIC9_13: IC9.13 Q21.4 | length 11.1
  Bottom Layer w0.3: IC9.13@8.752,2.972 9.708,3.928 9.708,7.922 9.865,8.079 9.865,10.296 10.351,10.782 12.308,10.782 12.705,11.179 Q21.4@12.705,11.282
NetIC9_15: IC9.15 Q20.4 | length 10.2
  Bottom Layer w0.3: IC9.15@9.459,2.265 10.096,2.902 10.171,2.977 12.193,2.977 12.269,2.902 13.753,2.902 14.295,3.444 Q20.4@14.295,8.232
NetIC9_16: IC9.16 Q22.4 | length 11.7
  Bottom Layer w0.3: IC9.16@9.812,1.912 10.478,2.577 12.028,2.577 12.103,2.502 13.919,2.502 15.405,3.989 15.405,5.853 Q22.4@17.785,8.232
NetIC9_18: IC9.18 Q23.4 | length 18.7
  Bottom Layer w0.3: IC9.18@10.519,1.204 11.092,1.777 11.696,1.777 11.771,1.702 14.31,1.702 19.485,6.877 19.699,6.877 20.585,7.763 20.585,8.701 20.585,10.546 20.826,10.787 22.783,10.787 23.175,11.179 23.175,11.282 Q23.4@23.225,11.332
NetIC9_31: IC9.31 R82.1 R85.2 | length 2.6
  Top Layer w0.15: R82.1@4.969,-3.563 5.606,-4.199 5.89,-4.199 5.947,-4.142 6.518,-4.142 v1(6.575,-4.085)
  Bottom Layer w0.15: v1(6.575,-4.085) 6.61,-4.085 7.02,-3.675 IC9.31@7.055,-3.675
NetIC10_6: IC10.6 Q24.4 | length 8.7
  Mid Layer 3 w0.3: v1(28.871,9.968) 29.6,9.239 29.6,3.839 v1(30.671,2.768)
  Bottom Layer w0.3: v1(30.671,2.768) 30.693,2.768 IC10.6@31.196,2.265
NetIC10_8: IC10.8 Q25.4 | length 12.8
  Bottom Layer w0.3: IC10.8@31.903,2.972 31.377,3.498 31.377,3.927 31.647,4.196 31.76,4.196 32.16,4.596 33.668,4.596 33.701,4.596 33.847,4.743 33.847,5.544 34.956,6.653 34.956,12.217 Q25.4@34.356,12.817
NetIC10_9: IC10.9 R102.2 | length 4.3
  Mid Layer 2 w0.15: v1(31.877,3.705) 32.327,3.705 32.563,3.469 32.931,3.469 33.18,3.718 33.18,4.92 v1(32.4,5.7)
  Bottom Layer w0.3: v1(31.877,3.705) IC10.9@32.257,3.326
NetIC10_10: IC10.10 R102.3 | length 2.7
  Mid Layer 2 w0.15: v1@31.019,5.628 32.753,3.894 v1(32.755,3.894)
  Bottom Layer w0.15: IC10.10@32.61,3.679 32.61,3.75 v1(32.755,3.894)
  other v1: 31.017,5.628
NetIC10_11: IC10.11 R103.3 | length 4.4
  Top Layer w0.15: v1(33.931,4.153) 34.656,4.877 v1(37.4,4.877)
  Bottom Layer w0.15: IC10.11@33.6,3.679 33.6,3.751 33.931,4.081 v1(33.931,4.153)
NetIC10_12: IC10.12 R103.2 | length 7
  Top Layer w0.15: v1(34.505,5.302) 38.966,5.302 39.169,5.1 v1(39.25,5.1)
  Bottom Layer w0.15: IC10.12@33.954,3.326 33.954,3.432 34.378,3.856 34.378,5.094 34.505,5.221 v1(34.505,5.302)
NetIC10_13: IC10.13 Q27.4 | length 15.9
  Mid Layer 2 w0.3: v1(34.805,4.002) 36.3,4.002 36.594,4.296 37.096,4.296 v1(37.125,4.325)
  Bottom Layer w0.3: IC10.13@34.307,2.972 34.777,3.441 34.777,3.974 v1(34.805,4.002) ; v1@37.137,4.325 38.574,4.325 38.75,4.501 38.75,12.078 38.963,12.291 40.92,12.291 41.293,12.664 41.293,12.767 Q27.4@41.343,12.817
NetIC10_15: IC10.15 Q26.4 | length 7.8
  Bottom Layer w0.3: IC10.15@35.015,2.265 35.9,3.15 Q26.4@35.9,9.717
NetIC10_16: IC10.16 Q28.4 | length 11.6
  Mid Layer 3 w0.3: v1(36.083,2.626) 36.083,2.667 35.971,2.779 35.971,4.155 38.116,6.3 39.002,6.3 v1(42.571,9.868)
  Bottom Layer w0.3: IC10.16@35.368,1.912 v1(36.083,2.626)
NetIC10_18: IC10.18 Q29.4 | length 21.3
  Bottom Layer w0.3: IC10.18@36.075,1.204 37.388,2.517 40.012,2.517 42.098,4.602 45.458,4.602 45.777,4.921 45.777,12.119 45.976,12.317 47.933,12.317 48.129,12.514 48.129,12.617 Q29.4@48.329,12.817
NetIC10_19: IC10.19 R104.2 | length 12.8
  Mid Layer 2 w0.15: v1(37.497,1.866) 37.497,1.894 40.13,4.527 45.233,4.527 v1(45.628,4.132)
  Bottom Layer w0.15: IC10.19@36.429,0.851 36.455,0.851 37.471,1.866 v1(37.497,1.866) ; v1(45.628,4.132) 45.709,4.132 45.979,4.402 46.002,4.402 46.116,4.516 46.116,5.002 46.391,5.277 R104.2@46.788,5.277
NetIC10_20: IC10.20 R104.3 | length 10.1
  Top Layer w0.15: v1(38.072,1.868) 38.153,1.868 38.277,1.992 38.285,1.992 v1(41.5,5.207)
  Bottom Layer w0.15: IC10.20@36.782,0.497 37.322,1.037 ; 37.322,1.037 38.072,1.787 v1(38.072,1.868) ; v1(41.5,5.207) 41.531,5.207 41.738,5 43.922,5 43.924,5.002 44.407,5.002 R104.3@44.682,5.277
NetIC10_31: IC10.31 R98.1 R101.2 | length 16
  Top Layer w0.15: v1(32.175,-4.217) 32.175,-3.725 36.9,1 39,1 41.1,-1.1 42.537,-1.1 R98.1@43.055,-0.582 43.072,-0.582 43.639,-0.015 R101.2@43.655,-0.015
  Bottom Layer w0.15: v1(32.175,-4.217) 32.175,-4.163 32.632,-3.706 IC10.31@32.632,-3.649
NetJ1_50: J1.50 R14.1 | length 8.9
  Top Layer w0.2: R14.1@23.198,-8.495 23.259,-8.434 23.8,-8.434 28.314,-12.948 29.285,-12.948 29.64,-12.593 29.64,-12.31 29.69,-12.26 J1.50@29.705,-12.26
NetJ2_2: J2.2 R46.2 | length 8.7
  Top Layer w0.3: R46.2@81.527,7.148 81.527,6.898 86.73,1.695 86.73,0.942 J2.2@86.955,0.717
NetJ2_3: J2.3 R45.2 | length 14.7
  Top Layer w0.3: R45.2@81.53,5.352 81.53,5.602 80.827,6.306 80.827,7.899 81.128,8.2 81.972,8.2 J2.3@89.455,0.717
NetJ2_4: J2.4 R41.2 | length 14.7
  Top Layer w0.3: R41.2@81.53,3.552 81.53,3.302 82.013,2.82 82.031,2.82 83.015,1.835 83.015,-0.315 84,-1.3 86.786,-1.3 87.586,-0.5 90.737,-0.5 J2.4@91.955,0.717
NetJ2_5: J2.5 R40.2 | length 16.1
  Top Layer w0.3: R40.2@81.53,1.87 81.53,1.62 82.615,0.534 82.615,-0.481 83.834,-1.7 87.025,-1.7 87.825,-0.9 92.837,-0.9 J2.5@94.455,0.717
NetQ2_5: Q2.5 Q2.6 Q2.7 Q2.8 Q2.9 R18.3
NetQ7_5: Q7.5 Q7.6 Q7.7 Q7.8 Q7.9 R64.4
NetQ9_5: Q9.5 Q9.6 Q9.7 Q9.8 Q9.9 R65.1
NetQ11_5: Q11.5 Q11.6 Q11.7 Q11.8 Q11.9 R66.1
NetQ13_5: Q13.5 Q13.6 Q13.7 Q13.8 Q13.9 R76.1
NetQ15_5: Q15.5 Q15.6 Q15.7 Q15.8 Q15.9 R77.1
NetQ17_5: Q17.5 Q17.6 Q17.7 Q17.8 Q17.9 R78.1
NetQ19_5: Q19.5 Q19.6 Q19.7 Q19.8 Q19.9 R87.1
NetQ21_5: Q21.5 Q21.6 Q21.7 Q21.8 Q21.9 R90.1
NetQ23_5: Q23.5 Q23.6 Q23.7 Q23.8 Q23.9 R93.4
NetQ25_5: Q25.5 Q25.6 Q25.7 Q25.8 Q25.9 R102.1
NetQ27_5: Q27.5 Q27.6 Q27.7 Q27.8 Q27.9 R103.1
NetQ29_5: Q29.5 Q29.6 Q29.7 Q29.8 Q29.9 R104.1
NetR17_1: R17.1 R19.2 | length 9.1
  Mid Layer 1 w0.2: v1(84.807,-0.8) 84.82,-0.787 85.332,-0.787 85.576,-0.544 85.576,5.9 86.048,6.372 v1(86.1,6.372)
  Bottom Layer w0.2: v1(84.807,-0.8) 84.807,-0.832 R19.2@84.83,-0.855 ; R19.2@84.83,-0.666 R19.2@84.835,-0.661 ; v1(86.1,6.372) 86.726,6.372 R17.1@86.993,6.105